# KiCad board haptic display 8x8 aisler.kicad_pcb (continued)
## Routing (per net, layer and track width the routed paths; a pad name or vN(x,y) marks a point on that pad's centre or on a via; arc(x,y) is an arc through that point) (continued)
col8: length 7436.5
  Front w0.15: 124.59,123.98 124.63,123.97 125,123.6 125,123.55 124.79,123.56 124.59,123.6 124.39,123.67 124.2,123.76 124.03,123.88 123.88,124.03 123.75,124.19 123.64,124.38 123.56,124.58 123.51,124.79 123.49,125 123.5,125.22 123.54,125.43 123.61,125.64 123.71,125.83 123.84,126.01 123.99,126.17 124.16,126.31 124.35,126.42 124.56,126.5 124.78,126.55 125,126.58 125.22,126.56 125.45,126.52 125.66,126.45 125.86,126.34 126.05,126.21 126.22,126.05 126.36,125.87 126.47,125.67 126.56,125.46 126.62,125.23 126.64,125 126.63,124.77 126.58,124.54 126.51,124.31 126.4,124.1 126.26,123.91 126.09,123.74 125.91,123.59 125.7,123.47 125.48,123.38 125.24,123.32 125,123.3 124.78,123.31 124.56,123.35 124.34,123.41 124.14,123.51 123.95,123.63 123.78,123.78 123.62,123.94 123.49,124.13 123.39,124.33 123.31,124.55 123.26,124.77 123.24,125 123.25,125.23 123.29,125.46 123.36,125.68 123.46,125.89 123.58,126.09 123.73,126.27 123.9,126.43 124.1,126.56 124.31,126.67 124.53,126.75 124.76,126.8 125,126.83 125.24,126.81 125.48,126.77 125.7,126.7 125.92,126.6 126.13,126.47 126.31,126.31 126.48,126.13 126.62,125.93 126.73,125.72 126.81,125.49 126.87,125.25 126.89,125 126.88,124.75 126.83,124.51 126.76,124.27 126.65,124.05 126.52,123.84 126.36,123.64 126.17,123.47 125.96,123.33 125.74,123.21 125.5,123.13 125.25,123.07 125,123.05 124.76,123.06 124.53,123.1 124.3,123.16 124.08,123.26 123.88,123.38 123.69,123.52 123.52,123.68 123.36,123.87 123.24,124.07 123.13,124.29 123.06,124.52 123.01,124.76 122.99,125 123,125.24 123.04,125.48 123.1,125.72 123.2,125.94 123.32,126.16 123.47,126.35 123.64,126.53 123.83,126.69 124.04,126.82 124.27,126.93 124.51,127.01 124.75,127.06 125,127.08 125.25,127.06 125.5,127.02 125.74,126.95 125.97,126.85 126.19,126.73 126.4,126.57 126.58,126.4 126.74,126.2 126.88,125.98 126.99,125.75 127.07,125.51 127.12,125.26 127.14,125 127.13,124.74 127.08,124.49 127.01,124.24 126.91,124 126.78,123.77 126.62,123.56 126.44,123.37 126.24,123.21 126.01,123.07 125.78,122.96 125.52,122.87 125.26,122.82 125,122.8 124.75,122.81 124.51,122.85 124.27,122.91 124.04,123 123.82,123.12 123.61,123.26 123.42,123.42 123.25,123.61 123.1,123.81 122.98,124.03 122.88,124.26 122.8,124.5 122.76,124.75 122.74,125 122.75,125.25 122.79,125.51 122.85,125.75 122.95,125.99 123.07,126.22 123.21,126.43 123.38,126.62 123.57,126.8 123.77,126.95 124,127.08 124.24,127.18 124.48,127.26 124.74,127.31 125,127.33 125.26,127.31 125.52,127.28 125.77,127.21 126.02,127.11 126.25,126.99 126.47,126.84 126.67,126.67 126.85,126.47 127,126.26 127.13,126.03 127.24,125.78 127.32,125.53 127.37,125.27 127.39,125 127.38,124.73 127.34,124.47 127.27,124.21 127.17,123.96 127.04,123.72 126.89,123.49 126.71,123.29 126.51,123.11 126.29,122.94 126.06,122.81 125.8,122.7 125.54,122.62 125.27,122.57 125,122.55 124.74,122.56 124.49,122.6 124.24,122.66 124,122.75 123.76,122.86 123.55,123 123.34,123.16 123.15,123.34 122.99,123.54 122.84,123.75 122.72,123.98 122.62,124.23 122.55,124.48 122.51,124.74 122.49,125 122.5,125.26 122.53,125.52 122.6,125.78 122.69,126.03 122.81,126.27 122.95,126.49 123.11,126.7 123.3,126.89 123.5,127.06 123.72,127.21 123.96,127.34 124.21,127.44 124.47,127.51 124.73,127.56 125,127.58 125.27,127.57 125.54,127.53 125.8,127.46 126.05,127.37 126.3,127.25 126.53,127.1 126.74,126.94 126.94,126.75 127.11,126.54 127.27,126.31 127.39,126.07 127.5,125.81 127.57,125.55 127.62,125.28 127.64,125 127.63,124.72 127.59,124.45 127.52,124.18 127.42,123.92 127.3,123.67 127.15,123.44 126.98,123.22 126.79,123.02 126.57,122.84 126.34,122.68 126.09,122.55 125.83,122.44 125.56,122.37 125.28,122.32 125,122.3 124.73,122.31 124.47,122.34 124.21,122.41 123.96,122.49 123.72,122.6 123.49,122.74 123.27,122.89 123.07,123.07 122.89,123.26 122.72,123.48 122.58,123.71 122.46,123.95 122.37,124.2 122.3,124.46 122.25,124.73 122.24,125 122.25,125.27 122.28,125.54 122.35,125.81 122.43,126.06 122.55,126.31 122.68,126.55 122.84,126.77 123.02,126.98 123.23,127.16 123.44,127.33 123.68,127.47 123.92,127.6 124.18,127.69 124.45,127.76 124.72,127.81 125,127.83 125.28,127.82 125.55,127.78 125.82,127.71 126.09,127.62 126.34,127.51 126.58,127.37 126.81,127.2 127.02,127.02 127.21,126.81 127.38,126.59 127.53,126.35 127.65,126.1 127.75,125.83 127.82,125.56 127.87,125.28 127.89,125 127.88,124.72 127.84,124.44 127.77,124.16 127.68,123.89 127.56,123.63 127.42,123.38 127.25,123.15 127.06,122.94 126.85,122.74 126.63,122.57 126.38,122.42 126.12,122.29 125.85,122.19 125.57,122.11 125.29,122.07 125,122.05 124.73,122.06 124.46,122.09 124.19,122.15 123.93,122.24 123.68,122.34 123.44,122.47 123.21,122.63 122.99,122.8 122.8,122.99 122.62,123.2 122.46,123.43 122.32,123.67 122.2,123.92 122.11,124.18 122.05,124.45 122,124.72 121.99,125 122,125.28 122.03,125.55 122.09,125.83 122.18,126.09 122.29,126.35 122.42,126.6 122.58,126.83 122.75,127.05 122.95,127.25 123.16,127.43 123.39,127.6 123.64,127.74 123.89,127.85 124.16,127.95 124.44,128.02 124.72,128.06 125,128.07 125.28,128.07 125.57,128.03 125.84,127.97 126.12,127.88 126.38,127.77 126.63,127.63 126.87,127.47 127.09,127.29 127.3,127.09 127.48,126.88 127.65,126.64 127.79,126.39 127.91,126.13 128.01,125.86 128.08,125.58 128.12,125.29 128.14,125 128.13,124.71 128.09,124.42 128.03,124.14 127.94,123.86 127.83,123.59 127.69,123.34 127.52,123.09 127.34,122.87 127.14,122.66 126.91,122.47 126.67,122.3 126.42,122.15 126.15,122.03 125.87,121.93 125.59,121.86 125.29,121.82 125,121.8 124.72,121.81 124.44,121.84 124.17,121.9 123.9,121.98 123.64,122.08 123.39,122.21 123.15,122.36 122.93,122.53 122.72,122.72 122.52,122.92 122.35,123.14 122.19,123.38 122.06,123.63 121.95,123.89 121.86,124.16 121.79,124.43 121.75,124.72 121.74,125 121.75,125.28 121.78,125.57 121.84,125.85 121.92,126.12 122.03,126.39 122.16,126.64 122.31,126.89 122.48,127.11 122.67,127.33 122.88,127.53 123.11,127.7 123.35,127.86 123.6,128 123.87,128.11 124.14,128.2 124.42,128.27 124.71,128.31 125,128.32 125.29,128.32 125.58,128.28 125.86,128.22 126.14,128.14 126.41,128.03 126.67,127.9 126.92,127.74 127.16,127.57 127.37,127.37 127.57,127.16 127.75,126.93 127.92,126.68 128.05,126.42 128.17,126.15 128.26,125.87 128.33,125.59 128.37,125.29 128.39,125 128.38,124.7 128.34,124.41 128.28,124.12 128.2,123.84 128.09,123.56 127.95,123.3 127.79,123.04 127.62,122.8 127.42,122.58 127.2,122.38 126.96,122.19 126.71,122.03 126.45,121.89 126.18,121.77 125.89,121.68 125.6,121.61 125.3,121.57 125,121.55 124.71,121.56 124.43,121.59 124.15,121.65 123.88,121.72 123.61,121.83 123.35,121.95 123.1,122.09 122.86,122.26 122.64,122.44 122.44,122.64 122.25,122.86 122.08,123.09 121.93,123.34 121.8,123.6 121.69,123.86 121.6,124.14 121.54,124.42 121.5,124.71 121.49,125 121.5,125.29 121.53,125.58 121.59,125.86 121.67,126.14 121.77,126.42 121.89,126.68 122.04,126.93 122.21,127.17 122.39,127.4 122.6,127.61 122.82,127.8 123.06,127.97 123.31,128.13 123.57,128.26 123.84,128.37 124.12,128.46 124.41,128.52 124.71,128.56 125,128.57 125.3,128.57 125.59,128.53 125.88,128.48 126.17,128.39 126.44,128.29 126.71,128.16 126.97,128.01 127.21,127.84 127.44,127.65 127.65,127.44 127.85,127.22 128.03,126.98 128.18,126.72 128.32,126.45 128.43,126.18 128.52,125.89 128.58,125.6 128.62,125.3 128.64,125 128.63,124.7 128.59,124.4 128.54,124.1 128.45,123.81 128.35,123.53 128.22,123.26 128.06,123 127.89,122.75 127.7,122.52 127.49,122.3 127.26,122.1 127.01,121.92 126.75,121.76 126.48,121.63 126.2,121.51 125.91,121.42 125.61,121.36 125.31,121.32 125,121.3 124.71,121.31 124.42,121.34 124.13,121.39 123.85,121.47 123.58,121.57 123.31,121.69 123.06,121.83 122.81,121.99 122.58,122.17 122.36,122.36 122.16,122.57 121.98,122.8 121.81,123.05 121.66,123.3 121.54,123.57 121.43,123.84 121.35,124.12 121.29,124.41 121.25,124.71 121.24,125 121.25,125.3 121.28,125.59 121.33,125.88 121.41,126.17 121.51,126.45 121.63,126.72 121.77,126.98 121.94,127.23 122.12,127.46 122.32,127.68 122.53,127.89 122.77,128.07 123.01,128.24 123.27,128.39 123.54,128.52 123.82,128.63 124.11,128.71 124.4,128.77 124.7,128.81 125,128.82 125.3,128.82 125.6,128.78 125.9,128.73 126.19,128.65 126.47,128.55 126.75,128.42 127.01,128.28 127.26,128.11 127.5,127.93 127.73,127.73 127.93,127.51 128.12,127.27 128.3,127.02 128.45,126.76 128.58,126.48 128.69,126.2 128.77,125.91 128.83,125.61 128.87,125.3 128.89,125 128.88,124.69 128.85,124.39 128.79,124.09 128.71,123.79 128.61,123.51 128.48,123.23 128.33,122.96 128.17,122.7 127.98,122.46 127.77,122.23 127.55,122.02 127.31,121.82 127.05,121.65 126.78,121.5 126.51,121.37 126.22,121.26 125.92,121.17 125.62,121.1 125.31,121.07 125,121.05 124.7,121.06 124.41,121.09 124.12,121.14 123.83,121.21 123.55,121.31 123.28,121.43 123.01,121.56 122.76,121.72 122.52,121.89 122.29,122.08 122.08,122.29 121.88,122.51 121.7,122.75 121.54,123 121.4,123.27 121.28,123.54 121.18,123.82 121.1,124.11 121.04,124.4 121,124.7 120.99,125 121,125.3 121.03,125.6 121.08,125.89 121.15,126.19 121.25,126.47 121.37,126.75 121.51,127.02 121.67,127.27 121.84,127.52 122.04,127.75 122.25,127.97 122.48,128.17 122.72,128.35 122.97,128.51 123.24,128.66 123.52,128.78 123.8,128.88 124.1,128.96 124.39,129.02 124.7,129.06 125,129.07 125.3,129.07 125.61,129.04 125.91,128.98 126.2,128.91 126.49,128.81 126.78,128.69 127.05,128.55 127.31,128.39 127.56,128.21 127.79,128.01 128.01,127.79 128.21,127.56 128.4,127.32 128.57,127.06 128.71,126.79 128.84,126.51 128.94,126.22 129.03,125.92 129.09,125.62 129.12,125.31 129.14,125 129.13,124.69 129.1,124.38 129.04,124.08 128.97,123.78 128.87,123.48 128.74,123.2 128.6,122.92 128.44,122.66 128.26,122.4 128.05,122.17 127.84,121.94 127.6,121.74 127.35,121.55 127.09,121.38 126.81,121.23 126.53,121.1 126.23,121 125.93,120.91 125.63,120.85 125.31,120.81 125,120.8 124.7,120.81 124.4,120.84 124.11,120.89 123.81,120.96 123.53,121.05 123.25,121.16 122.98,121.3 122.72,121.45 122.47,121.62 122.23,121.8 122.01,122.01 121.8,122.23 121.61,122.46 121.43,122.71 121.28,122.97 121.14,123.24 121.02,123.52 120.92,123.8 120.84,124.1 120.79,124.39 120.75,124.7 120.74,125 120.75,125.3 120.78,125.61 120.83,125.91 120.9,126.2 120.99,126.49 121.11,126.78 121.24,127.05 121.4,127.32 121.57,127.57 121.76,127.81 121.96,128.04 122.19,128.25 122.42,128.44 122.67,128.62 122.94,128.78 123.21,128.92 123.49,129.04 123.78,129.14 124.08,129.22 124.39,129.28 124.69,129.31 125,129.32 125.31,129.32 125.62,129.29 125.92,129.23 126.22,129.16 126.52,129.07 126.8,128.95 127.08,128.81 127.35,128.66 127.61,128.48 127.85,128.29 128.08,128.08 128.29,127.85 128.49,127.61 128.67,127.36 128.83,127.09 128.98,126.82 129.1,126.53 129.2,126.23 129.28,125.93 129.34,125.62 129.37,125.31 129.39,125 129.38,124.69 129.35,124.37 129.3,124.07 129.22,123.76 129.12,123.46 129.01,123.17 128.87,122.89 128.71,122.62 128.53,122.36 128.34,122.11 128.12,121.88 127.9,121.66 127.65,121.46 127.39,121.28 127.12,121.11 126.84,120.97 126.55,120.84 126.25,120.74 125.94,120.66 125.63,120.6 125.32,120.56 125,120.55 124.05,120.55 ; 124.59,108.98 124.63,108.97 125,108.6 125,108.55 124.79,108.56 124.59,108.6 124.39,108.67 124.2,108.76 124.03,108.88 123.88,109.03 123.75,109.19 123.64,109.38 123.56,109.58 123.51,109.79 123.49,110 123.5,110.22 123.54,110.43 123.61,110.64 123.71,110.83 123.84,111.01 123.99,111.17 124.16,111.31 124.35,111.42 124.56,111.5 124.78,111.55 125,111.58 125.22,111.56 125.45,111.52 125.66,111.45 125.86,111.34 126.05,111.21 126.22,111.05 126.36,110.87 126.47,110.67 126.56,110.46 126.62,110.23 126.64,110 126.63,109.77 126.58,109.54 126.51,109.31 126.4,109.1 126.26,108.91 126.09,108.74 125.91,108.59 125.7,108.47 125.48,108.38 125.24,108.32 125,108.3 124.78,108.31 124.56,108.35 124.34,108.41 124.14,108.51 123.95,108.63 123.78,108.78 123.62,108.94 123.49,109.13 123.39,109.33 123.31,109.55 123.26,109.77 123.24,110 123.25,110.23 123.29,110.46 123.36,110.68 123.46,110.89 123.58,111.09 123.73,111.27 123.9,111.43 124.1,111.56 124.31,111.67 124.53,111.75 124.76,111.8 125,111.83 125.24,111.81 125.48,111.77 125.7,111.7 125.92,111.6 126.13,111.47 126.31,111.31 126.48,111.13 126.62,110.93 126.73,110.72 126.81,110.49 126.87,110.25 126.89,110 126.88,109.75 126.83,109.51 126.76,109.27 126.65,109.05 126.52,108.84 126.36,108.64 126.17,108.47 125.96,108.33 125.74,108.21 125.5,108.13 125.25,108.07 125,108.05 124.76,108.06 124.53,108.1 124.3,108.16 124.08,108.26 123.88,108.38 123.69,108.52 123.52,108.68 123.36,108.87 123.24,109.07 123.13,109.29 123.06,109.52 123.01,109.76 122.99,110 123,110.24 123.04,110.48 123.1,110.72 123.2,110.94 123.32,111.16 123.47,111.35 123.64,111.53 123.83,111.69 124.04,111.82 124.27,111.93 124.51,112.01 124.75,112.06 125,112.08 125.25,112.06 125.5,112.02 125.74,111.95 125.97,111.85 126.19,111.73 126.4,111.57 126.58,111.4 126.74,111.2 126.88,110.98 126.99,110.75 127.07,110.51 127.12,110.26 127.14,110 127.13,109.74 127.08,109.49 127.01,109.24 126.91,109 126.78,108.77 126.62,108.56 126.44,108.37 126.24,108.21 126.01,108.07 125.78,107.96 125.52,107.87 125.26,107.82 125,107.8 124.75,107.81 124.51,107.85 124.27,107.91 124.04,108 123.82,108.12 123.61,108.26 123.42,108.42 123.25,108.61 123.1,108.81 122.98,109.03 122.88,109.26 122.8,109.5 122.76,109.75 122.74,110 122.75,110.25 122.79,110.51 122.85,110.75 122.95,110.99 123.07,111.22 123.21,111.43 123.38,111.62 123.57,111.8 123.77,111.95 124,112.08 124.24,112.18 124.48,112.26 124.74,112.31 125,112.33 125.26,112.31 125.52,112.28 125.77,112.21 126.02,112.11 126.25,111.99 126.47,111.84 126.67,111.67 126.85,111.47 127,111.26 127.13,111.03 127.24,110.78 127.32,110.53 127.37,110.27 127.39,110 127.38,109.73 127.34,109.47 127.27,109.21 127.17,108.96 127.04,108.72 126.89,108.49 126.71,108.29 126.51,108.11 126.29,107.94 126.06,107.81 125.8,107.7 125.54,107.62 125.27,107.57 125,107.55 124.74,107.56 124.49,107.6 124.24,107.66 124,107.75 123.76,107.86 123.55,108 123.34,108.16 123.15,108.34 122.99,108.54 122.84,108.75 122.72,108.98 122.62,109.23 122.55,109.48 122.51,109.74 122.49,110 122.5,110.26 122.53,110.52 122.6,110.78 122.69,111.03 122.81,111.27 122.95,111.49 123.11,111.7 123.3,111.89 123.5,112.06 123.72,112.21 123.96,112.34 124.21,112.44 124.47,112.51 124.73,112.56 125,112.58 125.27,112.57 125.54,112.53 125.8,112.46 126.05,112.37 126.3,112.25 126.53,112.1 126.74,111.94 126.94,111.75 127.11,111.54 127.27,111.31 127.39,111.07 127.5,110.81 127.57,110.55 127.62,110.28 127.64,110 127.63,109.72 127.59,109.45 127.52,109.18 127.42,108.92 127.3,108.67 127.15,108.44 126.98,108.22 126.79,108.02 126.57,107.84 126.34,107.68 126.09,107.55 125.83,107.44 125.56,107.37 125.28,107.32 125,107.3 124.73,107.31 124.47,107.34 124.21,107.41 123.96,107.49 123.72,107.6 123.49,107.74 123.27,107.89 123.07,108.07 122.89,108.26 122.72,108.48 122.58,108.71 122.46,108.95 122.37,109.2 122.3,109.46 122.25,109.73 122.24,110 122.25,110.27 122.28,110.54 122.35,110.81 122.43,111.06 122.55,111.31 122.68,111.55 122.84,111.77 123.02,111.98 123.23,112.16 123.44,112.33 123.68,112.47 123.92,112.6 124.18,112.69 124.45,112.76 124.72,112.81 125,112.83 125.28,112.82 125.55,112.78 125.82,112.71 126.09,112.62 126.34,112.51 126.58,112.37 126.81,112.2 127.02,112.02 127.21,111.81 127.38,111.59 127.53,111.35 127.65,111.1 127.75,110.83 127.82,110.56 127.87,110.28 127.89,110 127.88,109.72 127.84,109.44 127.77,109.16 127.68,108.89 127.56,108.63 127.42,108.38 127.25,108.15 127.06,107.94 126.85,107.74 126.63,107.57 126.38,107.42 126.12,107.29 125.85,107.19 125.57,107.11 125.29,107.07 125,107.05 124.73,107.06 124.46,107.09 124.19,107.15 123.93,107.24 123.68,107.34 123.44,107.47 123.21,107.63 122.99,107.8 122.8,107.99 122.62,108.2 122.46,108.43 122.32,108.67 122.2,108.92 122.11,109.18 122.05,109.45 122,109.72 121.99,110 122,110.28 122.03,110.55 122.09,110.83 122.18,111.09 122.29,111.35 122.42,111.6 122.58,111.83 122.75,112.05 122.95,112.25 123.16,112.43 123.39,112.6 123.64,112.74 123.89,112.85 124.16,112.95 124.44,113.02 124.72,113.06 125,113.08 125.28,113.07 125.57,113.03 125.84,112.97 126.12,112.88 126.38,112.77 126.63,112.63 126.87,112.47 127.09,112.29 127.3,112.09 127.48,111.88 127.65,111.64 127.79,111.39 127.91,111.13 128.01,110.86 128.08,110.58 128.12,110.29 128.14,110 128.13,109.71 128.09,109.42 128.03,109.14 127.94,108.86 127.83,108.59 127.69,108.34 127.52,108.09 127.34,107.87 127.14,107.66 126.91,107.47 126.67,107.3 126.42,107.15 126.15,107.03 125.87,106.93 125.59,106.86 125.29,106.82 125,106.8 124.72,106.81 124.44,106.84 124.17,106.9 123.9,106.98 123.64,107.08 123.39,107.21 123.15,107.36 122.93,107.53 122.72,107.72 122.52,107.92 122.35,108.14 122.19,108.38 122.06,108.63 121.95,108.89 121.86,109.16 121.79,109.43 121.75,109.72 121.74,110 121.75,110.28 121.78,110.57 121.84,110.85 121.92,111.12 122.03,111.39 122.16,111.64 122.31,111.89 122.48,112.11 122.67,112.33 122.88,112.53 123.11,112.7 123.35,112.86 123.6,113 123.87,113.11 124.14,113.2 124.42,113.27 124.71,113.31 125,113.33 125.29,113.32 125.58,113.28 125.86,113.22 126.14,113.14 126.41,113.03 126.67,112.9 126.92,112.74 127.16,112.57 127.37,112.37 127.57,112.16 127.75,111.93 127.92,111.68 128.05,111.42 128.17,111.15 128.26,110.87 128.33,110.59 128.37,110.29 128.39,110 128.38,109.7 128.34,109.41 128.28,109.12 128.2,108.84 128.09,108.56 127.95,108.3 127.79,108.04 127.62,107.8 127.42,107.58 127.2,107.38 126.96,107.19 126.71,107.03 126.45,106.89 126.18,106.77 125.89,106.68 125.6,106.61 125.3,106.57 125,106.55 124.71,106.56 124.43,106.59 124.15,106.65 123.88,106.72 123.61,106.83 123.35,106.95 123.1,107.09 122.86,107.26 122.64,107.44 122.44,107.64 122.25,107.86 122.08,108.09 121.93,108.34 121.8,108.6 121.69,108.86 121.6,109.14 121.54,109.42 121.5,109.71 121.49,110 121.5,110.29 121.53,110.58 121.59,110.86 121.67,111.14 121.77,111.42 121.89,111.68 122.04,111.93 122.21,112.17 122.39,112.4 122.6,112.61 122.82,112.8 123.06,112.97 123.31,113.13 123.57,113.26 123.84,113.37 124.12,113.46 124.41,113.52 124.71,113.56 125,113.58 125.3,113.57 125.59,113.53 125.88,113.48 126.17,113.39 126.44,113.29 126.71,113.16 126.97,113.01 127.21,112.84 127.44,112.65 127.65,112.44 127.85,112.22 128.03,111.98 128.18,111.72 128.32,111.45 128.43,111.18 128.52,110.89 128.58,110.6 128.62,110.3 128.64,110 128.63,109.7 128.59,109.4 128.54,109.1 128.45,108.81 128.35,108.53 128.22,108.26 128.06,108 127.89,107.75 127.7,107.52 127.49,107.3 127.26,107.1 127.01,106.92 126.75,106.76 126.48,106.63 126.2,106.51 125.91,106.42 125.61,106.36 125.31,106.32 125,106.3 124.71,106.31 124.42,106.34 124.13,106.39 123.85,106.47 123.58,106.57 123.31,106.69 123.06,106.83 122.81,106.99 122.58,107.17 122.36,107.36 122.16,107.57 121.98,107.8 121.81,108.05 121.66,108.3 121.54,108.57 121.43,108.84 121.35,109.12 121.29,109.41 121.25,109.71 121.24,110 121.25,110.3 121.28,110.59 121.33,110.88 121.41,111.17 121.51,111.45 121.63,111.72 121.77,111.98 121.94,112.23 122.12,112.46 122.32,112.68 122.53,112.89 122.77,113.07 123.01,113.24 123.27,113.39 123.54,113.52 123.82,113.63 124.11,113.71 124.4,113.77 124.7,113.81 125,113.83 125.3,113.82 125.6,113.78 125.9,113.73 126.19,113.65 126.47,113.55 126.75,113.42 127.01,113.28 127.26,113.11 127.5,112.93 127.73,112.73 127.93,112.51 128.12,112.27 128.3,112.02 128.45,111.76 128.58,111.48 128.69,111.2 128.77,110.91 128.83,110.61 128.87,110.3 128.89,110 128.88,109.69 128.85,109.39 128.79,109.09 128.71,108.79 128.61,108.51 128.48,108.23 128.33,107.96 128.17,107.7 127.98,107.46 127.77,107.23 127.55,107.02 127.31,106.82 127.05,106.65 126.78,106.5 126.51,106.37 126.22,106.26 125.92,106.17 125.62,106.1 125.31,106.07 125,106.05 124.7,106.06 124.41,106.09 124.12,106.14 123.83,106.21 123.55,106.31 123.28,106.43 123.01,106.56 122.76,106.72 122.52,106.89 122.29,107.08 122.08,107.29 121.88,107.51 121.7,107.75 121.54,108 121.4,108.27 121.28,108.54 121.18,108.82 121.1,109.11 121.04,109.4 121,109.7 120.99,110 121,110.3 121.03,110.6 121.08,110.89 121.15,111.19 121.25,111.47 121.37,111.75 121.51,112.02 121.67,112.27 121.84,112.52 122.04,112.75 122.25,112.97 122.48,113.17 122.72,113.35 122.97,113.51 123.24,113.66 123.52,113.78 123.8,113.88 124.1,113.96 124.39,114.02 124.7,114.06 125,114.08 125.3,114.07 125.61,114.04 125.91,113.98 126.2,113.91 126.49,113.81 126.78,113.69 127.05,113.55 127.31,113.39 127.56,113.21 127.79,113.01 128.01,112.79 128.21,112.56 128.4,112.32 128.57,112.06 128.71,111.79 128.84,111.51 128.94,111.22 129.03,110.92 129.09,110.62 129.12,110.31 129.14,110 129.13,109.69 129.1,109.38 129.04,109.08 128.97,108.78 128.87,108.48 128.74,108.2 128.6,107.92 128.44,107.66 128.26,107.4 128.05,107.17 127.84,106.94 127.6,106.74 127.35,106.55 127.09,106.38 126.81,106.23 126.53,106.1 126.23,106 125.93,105.91 125.63,105.85 125.31,105.81 125,105.8 124.7,105.81 124.4,105.84 124.11,105.89 123.81,105.96 123.53,106.05 123.25,106.16 122.98,106.3 122.72,106.45 122.47,106.62 122.23,106.8 122.01,107.01 121.8,107.23 121.61,107.46 121.43,107.71 121.28,107.97 121.14,108.24 121.02,108.52 120.92,108.8 120.84,109.1 120.79,109.39 120.75,109.7 120.74,110 120.75,110.3 120.78,110.61 120.83,110.91 120.9,111.2 120.99,111.49 121.11,111.78 121.24,112.05 121.4,112.32 121.57,112.57 121.76,112.81 121.96,113.04 122.19,113.25 122.42,113.44 122.67,113.62 122.94,113.78 123.21,113.92 123.49,114.04 123.78,114.14 124.08,114.22 124.39,114.28 124.69,114.31 125,114.33 125.31,114.32 125.62,114.29 125.92,114.23 126.22,114.16 126.52,114.07 126.8,113.95 127.08,113.81 127.35,113.66 127.61,113.48 127.85,113.29 128.08,113.08 128.29,112.85 128.49,112.61 128.67,112.36 128.83,112.09 128.98,111.82 129.1,111.53 129.2,111.23 129.28,110.93 129.34,110.62 129.37,110.31 129.39,110 129.38,109.69 129.35,109.37 129.3,109.07 129.22,108.76 129.12,108.46 129.01,108.17 128.87,107.89 128.71,107.62 128.53,107.36 128.34,107.11 128.12,106.88 127.9,106.66 127.65,106.46 127.39,106.28 127.12,106.11 126.84,105.97 126.55,105.84 126.25,105.74 125.94,105.66 125.63,105.6 125.32,105.56 125,105.55 124.05,105.55 ; 124.59,93.98 124.63,93.97 125,93.6 125,93.55 124.79,93.56 124.59,93.6 124.39,93.67 124.2,93.76 124.03,93.88 123.88,94.03 123.75,94.19 123.64,94.38 123.56,94.58 123.51,94.79 123.49,95 123.5,95.22 123.54,95.43 123.61,95.64 123.71,95.83 123.84,96.01 123.99,96.17 124.16,96.31 124.35,96.42 124.56,96.5 124.78,96.55 125,96.58 125.22,96.56 125.45,96.52 125.66,96.45 125.86,96.34 126.05,96.21 126.22,96.05 126.36,95.87 126.47,95.67 126.56,95.46 126.62,95.23 126.64,95 126.63,94.77 126.58,94.54 126.51,94.31 126.4,94.1 126.26,93.91 126.09,93.74 125.91,93.59 125.7,93.47 125.48,93.38 125.24,93.32 125,93.3 124.78,93.31 124.56,93.35 124.34,93.41 124.14,93.51 123.95,93.63 123.78,93.78 123.62,93.94 123.49,94.13 123.39,94.33 123.31,94.55 123.26,94.77 123.24,95 123.25,95.23 123.29,95.46 123.36,95.68 123.46,95.89 123.58,96.09 123.73,96.27 123.9,96.43 124.1,96.56 124.31,96.67 124.53,96.75 124.76,96.8 125,96.83 125.24,96.81 125.48,96.77 125.7,96.7 125.92,96.6 126.13,96.47 126.31,96.31 126.48,96.13 126.62,95.93 126.73,95.72 126.81,95.49 126.87,95.25 126.89,95 126.88,94.75 126.83,94.51 126.76,94.27 126.65,94.05 126.52,93.84 126.36,93.64 126.17,93.47 125.96,93.33 125.74,93.21 125.5,93.13 125.25,93.07 125,93.05 124.76,93.06 124.53,93.1 124.3,93.16 124.08,93.26 123.88,93.38 123.69,93.52 123.52,93.68 123.36,93.87 123.24,94.07 123.13,94.29 123.06,94.52 123.01,94.76 122.99,95 123,95.24 123.04,95.48 123.1,95.72 123.2,95.94 123.32,96.16 123.47,96.35 123.64,96.53 123.83,96.69 124.04,96.82 124.27,96.93 124.51,97.01 124.75,97.06 125,97.08 125.25,97.06 125.5,97.02 125.74,96.95 125.97,96.85 126.19,96.73 126.4,96.57 126.58,96.4 126.74,96.2 126.88,95.98 126.99,95.75 127.07,95.51 127.12,95.26 127.14,95 127.13,94.74 127.08,94.49 127.01,94.24 126.91,94 126.78,93.77 126.62,93.56 126.44,93.37 126.24,93.21 126.01,93.07 125.78,92.96 125.52,92.87 125.26,92.82 125,92.8 124.75,92.81 124.51,92.85 124.27,92.91 124.04,93 123.82,93.12 123.61,93.26 123.42,93.42 123.25,93.61 123.1,93.81 122.98,94.03 122.88,94.26 122.8,94.5 122.76,94.75 122.74,95 122.75,95.25 122.79,95.51 122.85,95.75 122.95,95.99 123.07,96.22 123.21,96.43 123.38,96.62 123.57,96.8 123.77,96.95 124,97.08 124.24,97.18 124.48,97.26 124.74,97.31 125,97.33 125.26,97.31 125.52,97.28 125.77,97.21 126.02,97.11 126.25,96.99 126.47,96.84 126.67,96.67 126.85,96.47 127,96.26 127.13,96.03 127.24,95.78 127.32,95.53 127.37,95.27 127.39,95 127.38,94.73 127.34,94.47 127.27,94.21 127.17,93.96 127.04,93.72 126.89,93.49 126.71,93.29 126.51,93.11 126.29,92.94 126.06,92.81 125.8,92.7 125.54,92.62 125.27,92.57 125,92.55 124.74,92.56 124.49,92.6 124.24,92.66 124,92.75 123.76,92.86 123.55,93 123.34,93.16 123.15,93.34 122.99,93.54 122.84,93.75 122.72,93.98 122.62,94.23 122.55,94.48 122.51,94.74 122.49,95 122.5,95.26 122.53,95.52 122.6,95.78 122.69,96.03 122.81,96.27 122.95,96.49 123.11,96.7 123.3,96.89 123.5,97.06 123.72,97.21 123.96,97.34 124.21,97.44 124.47,97.51 124.73,97.56 125,97.58 125.27,97.57 125.54,97.53 125.8,97.46 126.05,97.37 126.3,97.25 126.53,97.1 126.74,96.94 126.94,96.75 127.11,96.54 127.27,96.31 127.39,96.07 127.5,95.81 127.57,95.55 127.62,95.28 127.64,95 127.63,94.72 127.59,94.45 127.52,94.18 127.42,93.92 127.3,93.67 127.15,93.44 126.98,93.22 126.79,93.02 126.57,92.84 126.34,92.68 126.09,92.55 125.83,92.44 125.56,92.37 125.28,92.32 125,92.3 124.73,92.31 124.47,92.34 124.21,92.41 123.96,92.49 123.72,92.6 123.49,92.74 123.27,92.89 123.07,93.07 122.89,93.26 122.72,93.48 122.58,93.71 122.46,93.95 122.37,94.2 122.3,94.46 122.25,94.73 122.24,95 122.25,95.27 122.28,95.54 122.35,95.81 122.43,96.06 122.55,96.31 122.68,96.55 122.84,96.77 123.02,96.98 123.23,97.16 123.44,97.33 123.68,97.47 123.92,97.6 124.18,97.69 124.45,97.76 124.72,97.81 125,97.83 125.28,97.82 125.55,97.78 125.82,97.71 126.09,97.62 126.34,97.51 126.58,97.37 126.81,97.2 127.02,97.02 127.21,96.81 127.38,96.59 127.53,96.35 127.65,96.1 127.75,95.83 127.82,95.56 127.87,95.28 127.89,95 127.88,94.72 127.84,94.44 127.77,94.16 127.68,93.89 127.56,93.63 127.42,93.38 127.25,93.15 127.06,92.94 126.85,92.74 126.63,92.57 126.38,92.42 126.12,92.29 125.85,92.19 125.57,92.11 125.29,92.07 125,92.05 124.73,92.06 124.46,92.09 124.19,92.15 123.93,92.24 123.68,92.34 123.44,92.47 123.21,92.63 122.99,92.8 122.8,92.99 122.62,93.2 122.46,93.43 122.32,93.67 122.2,93.92 122.11,94.18 122.05,94.45 122,94.72 121.99,95 122,95.28 122.03,95.55 122.09,95.83 122.18,96.09 122.29,96.35 122.42,96.6 122.58,96.83 122.75,97.05 122.95,97.25 123.16,97.43 123.39,97.6 123.64,97.74 123.89,97.85 124.16,97.95 124.44,98.02 124.72,98.06 125,98.08 125.28,98.07 125.57,98.03 125.84,97.97 126.12,97.88 126.38,97.77 126.63,97.63 126.87,97.47 127.09,97.29 127.3,97.09 127.48,96.88 127.65,96.64 127.79,96.39 127.91,96.13 128.01,95.86 128.08,95.58 128.12,95.29 128.14,95 128.13,94.71 128.09,94.42 128.03,94.14 127.94,93.86 127.83,93.59 127.69,93.34 127.52,93.09 127.34,92.87 127.14,92.66 126.91,92.47 126.67,92.3 126.42,92.15 126.15,92.03 125.87,91.93 125.59,91.86 125.29,91.82 125,91.8 124.72,91.81 124.44,91.84 124.17,91.9 123.9,91.98 123.64,92.08 123.39,92.21 123.15,92.36 122.93,92.53 122.72,92.72 122.52,92.92 122.35,93.14 122.19,93.38 122.06,93.63 121.95,93.89 121.86,94.16 121.79,94.43 121.75,94.72 121.74,95 121.75,95.28 121.78,95.57 121.84,95.85 121.92,96.12 122.03,96.39 122.16,96.64 122.31,96.89 122.48,97.11 122.67,97.33 122.88,97.53 123.11,97.7 123.35,97.86 123.6,98 123.87,98.11 124.14,98.2 124.42,98.27 124.71,98.31 125,98.33 125.29,98.32 125.58,98.28 125.86,98.22 126.14,98.14 126.41,98.03 126.67,97.9 126.92,97.74 127.16,97.57 127.37,97.37 127.57,97.16 127.75,96.93 127.92,96.68 128.05,96.42 128.17,96.15 128.26,95.87 128.33,95.59 128.37,95.29 128.39,95 128.38,94.7 128.34,94.41 128.28,94.12 128.2,93.84 128.09,93.56 127.95,93.3 127.79,93.04 127.62,92.8 127.42,92.58 127.2,92.38 126.96,92.19 126.71,92.03 126.45,91.89 126.18,91.77 125.89,91.68 125.6,91.61 125.3,91.57 125,91.55 124.71,91.56 124.43,91.59 124.15,91.65 123.88,91.72 123.61,91.83 123.35,91.95 123.1,92.09 122.86,92.26 122.64,92.44 122.44,92.64 122.25,92.86 122.08,93.09 121.93,93.34 121.8,93.6 121.69,93.86 121.6,94.14 121.54,94.42 121.5,94.71 121.49,95 121.5,95.29 121.53,95.58 121.59,95.86 121.67,96.14 121.77,96.42 121.89,96.68 122.04,96.93 122.21,97.17 122.39,97.4 122.6,97.61 122.82,97.8 123.06,97.97 123.31,98.13 123.57,98.26 123.84,98.37 124.12,98.46 124.41,98.52 124.71,98.56 125,98.58 125.3,98.57 125.59,98.53 125.88,98.48 126.17,98.39 126.44,98.29 126.71,98.16 126.97,98.01 127.21,97.84 127.44,97.65 127.65,97.44 127.85,97.22 128.03,96.98 128.18,96.72 128.32,96.45 128.43,96.18 128.52,95.89 128.58,95.6 128.62,95.3 128.64,95 128.63,94.7 128.59,94.4 128.54,94.1 128.45,93.81 128.35,93.53 128.22,93.26 128.06,93 127.89,92.75 127.7,92.52 127.49,92.3 127.26,92.1 127.01,91.92 126.75,91.76 126.48,91.63 126.2,91.51 125.91,91.42 125.61,91.36 125.31,91.32 125,91.3 124.71,91.31 124.42,91.34 124.13,91.39 123.85,91.47 123.58,91.57 123.31,91.69 123.06,91.83 122.81,91.99 122.58,92.17 122.36,92.36 122.16,92.57 121.98,92.8 121.81,93.05 121.66,93.3 121.54,93.57 121.43,93.84 121.35,94.12 121.29,94.41 121.25,94.71 121.24,95 121.25,95.3 121.28,95.59 121.33,95.88 121.41,96.17 121.51,96.45 121.63,96.72 121.77,96.98 121.94,97.23 122.12,97.46 122.32,97.68 122.53,97.89 122.77,98.07 123.01,98.24 123.27,98.39 123.54,98.52 123.82,98.63 124.11,98.71 124.4,98.77 124.7,98.81 125,98.83 125.3,98.82 125.6,98.78 125.9,98.73 126.19,98.65 126.47,98.55 126.75,98.42 127.01,98.28 127.26,98.11 127.5,97.93 127.73,97.73 127.93,97.51 128.12,97.27 128.3,97.02 128.45,96.76 128.58,96.48 128.69,96.2 128.77,95.91 128.83,95.61 128.87,95.3 128.89,95 128.88,94.69 128.85,94.39 128.79,94.09 128.71,93.79 128.61,93.51 128.48,93.23 128.33,92.96 128.17,92.7 127.98,92.46 127.77,92.23 127.55,92.02 127.31,91.82 127.05,91.65 126.78,91.5 126.51,91.37 126.22,91.26 125.92,91.17 125.62,91.1 125.31,91.07 125,91.05 124.7,91.06 124.41,91.09 124.12,91.14 123.83,91.21 123.55,91.31 123.28,91.43 123.01,91.56 122.76,91.72 122.52,91.89 122.29,92.08 122.08,92.29 121.88,92.51 121.7,92.75 121.54,93 121.4,93.27 121.28,93.54 121.18,93.82 121.1,94.11 121.04,94.4 121,94.7 120.99,95 121,95.3 121.03,95.6 121.08,95.89 121.15,96.19 121.25,96.47 121.37,96.75 121.51,97.02 121.67,97.27 121.84,97.52 122.04,97.75 122.25,97.97 122.48,98.17 122.72,98.35 122.97,98.51 123.24,98.66 123.52,98.78 123.8,98.88 124.1,98.96 124.39,99.02 124.7,99.06 125,99.08 125.3,99.07 125.61,99.04 125.91,98.98 126.2,98.91 126.49,98.81 126.78,98.69 127.05,98.55 127.31,98.39 127.56,98.21 127.79,98.01 128.01,97.79 128.21,97.56 128.4,97.32 128.57,97.06 128.71,96.79 128.84,96.51 128.94,96.22 129.03,95.92 129.09,95.62 129.12,95.31 129.14,95 129.13,94.69 129.1,94.38 129.04,94.08 128.97,93.78 128.87,93.48 128.74,93.2 128.6,92.92 128.44,92.66 128.26,92.4 128.05,92.17 127.84,91.94 127.6,91.74 127.35,91.55 127.09,91.38 126.81,91.23 126.53,91.1 126.23,91 125.93,90.91 125.63,90.85 125.31,90.81 125,90.8 124.7,90.81 124.4,90.84 124.11,90.89 123.81,90.96 123.53,91.05 123.25,91.16 122.98,91.3 122.72,91.45 122.47,91.62 122.23,91.8 122.01,92.01 121.8,92.23 121.61,92.46 121.43,92.71 121.28,92.97 121.14,93.24 121.02,93.52 120.92,93.8 120.84,94.1 120.79,94.39 120.75,94.7 120.74,95 120.75,95.3 120.78,95.61 120.83,95.91 120.9,96.2 120.99,96.49 121.11,96.78 121.24,97.05 121.4,97.32 121.57,97.57 121.76,97.81 121.96,98.04 122.19,98.25 122.42,98.44 122.67,98.62 122.94,98.78 123.21,98.92 123.49,99.04 123.78,99.14 124.08,99.22 124.39,99.28 124.69,99.31 125,99.33 125.31,99.32 125.62,99.29 125.92,99.23 126.22,99.16 126.52,99.07 126.8,98.95 127.08,98.81 127.35,98.66 127.61,98.48 127.85,98.29 128.08,98.08 128.29,97.85 128.49,97.61 128.67,97.36 128.83,97.09 128.98,96.82 129.1,96.53 129.2,96.23 129.28,95.93 129.34,95.62 129.37,95.31 129.39,95 129.38,94.69 129.35,94.37 129.3,94.07 129.22,93.76 129.12,93.46 129.01,93.17 128.87,92.89 128.71,92.62 128.53,92.36 128.34,92.11 128.12,91.88 127.9,91.66 127.65,91.46 127.39,91.28 127.12,91.11 126.84,90.97 126.55,90.84 126.25,90.74 125.94,90.66 125.63,90.6 125.32,90.56 125,90.55 124.05,90.55 ; 124.59,78.98 124.63,78.97 125,78.6 125,78.55 124.79,78.56 124.59,78.6 124.39,78.67 124.2,78.76 124.03,78.88 123.88,79.03 123.75,79.19 123.64,79.38 123.56,79.58 123.51,79.79 123.49,80 123.5,80.22 123.54,80.43 123.61,80.64 123.71,80.83 123.84,81.01 123.99,81.17 124.16,81.31 124.35,81.42 124.56,81.5 124.78,81.55 125,81.58 125.22,81.56 125.45,81.52 125.66,81.45 125.86,81.34 126.05,81.21 126.22,81.05 126.36,80.87 126.47,80.67 126.56,80.46 126.62,80.23 126.64,80 126.63,79.77 126.58,79.54 126.51,79.31 126.4,79.1 126.26,78.91 126.09,78.74 125.91,78.59 125.7,78.47 125.48,78.38 125.24,78.32 125,78.3 124.78,78.31 124.56,78.35 124.34,78.41 124.14,78.51 123.95,78.63 123.78,78.78 123.62,78.94 123.49,79.13 123.39,79.33 123.31,79.55 123.26,79.77 123.24,80 123.25,80.23 123.29,80.46 123.36,80.68 123.46,80.89 123.58,81.09 123.73,81.27 123.9,81.43 124.1,81.56 124.31,81.67 124.53,81.75 124.76,81.8 125,81.83 125.24,81.81 125.48,81.77 125.7,81.7 125.92,81.6 126.13,81.47 126.31,81.31 126.48,81.13 126.62,80.93 126.73,80.72 126.81,80.49 126.87,80.25 126.89,80 126.88,79.75 126.83,79.51 126.76,79.27 126.65,79.05 126.52,78.84 126.36,78.64 126.17,78.47 125.96,78.33 125.74,78.21 125.5,78.13 125.25,78.07 125,78.05 124.76,78.06 124.53,78.1 124.3,78.16 124.08,78.26 123.88,78.38 123.69,78.52 123.52,78.68 123.36,78.87 123.24,79.07 123.13,79.29 123.06,79.52 123.01,79.76 122.99,80 123,80.24 123.04,80.48 123.1,80.72 123.2,80.94 123.32,81.16 123.47,81.35 123.64,81.53 123.83,81.69 124.04,81.82 124.27,81.93 124.51,82.01 124.75,82.06 125,82.08 125.25,82.06 125.5,82.02 125.74,81.95 125.97,81.85 126.19,81.73 126.4,81.57 126.58,81.4 126.74,81.2 126.88,80.98 126.99,80.75 127.07,80.51 127.12,80.26 127.14,80 127.13,79.74 127.08,79.49 127.01,79.24 126.91,79 126.78,78.77 126.62,78.56 126.44,78.37 126.24,78.21 126.01,78.07 125.78,77.96 125.52,77.87 125.26,77.82 125,77.8 124.75,77.81 124.51,77.85 124.27,77.91 124.04,78 123.82,78.12 123.61,78.26 123.42,78.42 123.25,78.61 123.1,78.81 122.98,79.03 122.88,79.26 122.8,79.5 122.76,79.75 122.74,80 122.75,80.25 122.79,80.51 122.85,80.75 122.95,80.99 123.07,81.22 123.21,81.43 123.38,81.62 123.57,81.8 123.77,81.95 124,82.08 124.24,82.18 124.48,82.26 124.74,82.31 125,82.33 125.26,82.31 125.52,82.28 125.77,82.21 126.02,82.11 126.25,81.99 126.47,81.84 126.67,81.67 126.85,81.47 127,81.26 127.13,81.03 127.24,80.78 127.32,80.53 127.37,80.27 127.39,80 127.38,79.73 127.34,79.47 127.27,79.21 127.17,78.96 127.04,78.72 126.89,78.49 126.71,78.29 126.51,78.11 126.29,77.94 126.06,77.81 125.8,77.7 125.54,77.62 125.27,77.57 125,77.55 124.74,77.56 124.49,77.6 124.24,77.66 124,77.75 123.76,77.86 123.55,78 123.34,78.16 123.15,78.34 122.99,78.54 122.84,78.75 122.72,78.98 122.62,79.23 122.55,79.48 122.51,79.74 122.49,80 122.5,80.26 122.53,80.52 122.6,80.78 122.69,81.03 122.81,81.27 122.95,81.49 123.11,81.7 123.3,81.89 123.5,82.06 123.72,82.21 123.96,82.34 124.21,82.44 124.47,82.51 124.73,82.56 125,82.58 125.27,82.57 125.54,82.53 125.8,82.46 126.05,82.37 126.3,82.25 126.53,82.1 126.74,81.94 126.94,81.75 127.11,81.54 127.27,81.31 127.39,81.07 127.5,80.81 127.57,80.55 127.62,80.28 127.64,80 127.63,79.72 127.59,79.45 127.52,79.18 127.42,78.92 127.3,78.67 127.15,78.44 126.98,78.22 126.79,78.02 126.57,77.84 126.34,77.68 126.09,77.55 125.83,77.44 125.56,77.37 125.28,77.32 125,77.3 124.73,77.31 124.47,77.34 124.21,77.41 123.96,77.49 123.72,77.6 123.49,77.74 123.27,77.89 123.07,78.07 122.89,78.26 122.72,78.48 122.58,78.71 122.46,78.95 122.37,79.2 122.3,79.46 122.25,79.73 122.24,80 122.25,80.27 122.28,80.54 122.35,80.81 122.43,81.06 122.55,81.31 122.68,81.55 122.84,81.77 123.02,81.98 123.23,82.16 123.44,82.33 123.68,82.47 123.92,82.6 124.18,82.69 124.45,82.76 124.72,82.81 125,82.83 125.28,82.82 125.55,82.78 125.82,82.71 126.09,82.62 126.34,82.51 126.58,82.37 126.81,82.2 127.02,82.02 127.21,81.81 127.38,81.59 127.53,81.35 127.65,81.1 127.75,80.83 127.82,80.56 127.87,80.28 127.89,80 127.88,79.72 127.84,79.44 127.77,79.16 127.68,78.89 127.56,78.63 127.42,78.38 127.25,78.15 127.06,77.94 126.85,77.74 126.63,77.57 126.38,77.42 126.12,77.29 125.85,77.19 125.57,77.11 125.29,77.07 125,77.05 124.73,77.06 124.46,77.09 124.19,77.15 123.93,77.24 123.68,77.34 123.44,77.47 123.21,77.63 122.99,77.8 122.8,77.99 122.62,78.2 122.46,78.43 122.32,78.67 122.2,78.92 122.11,79.18 122.05,79.45 122,79.72 121.99,80 122,80.28 122.03,80.55 122.09,80.83 122.18,81.09 122.29,81.35 122.42,81.6 122.58,81.83 122.75,82.05 122.95,82.25 123.16,82.43 123.39,82.6 123.64,82.74 123.89,82.85 124.16,82.95 124.44,83.02 124.72,83.06 125,83.08 125.28,83.07 125.57,83.03 125.84,82.97 126.12,82.88 126.38,82.77 126.63,82.63 126.87,82.47 127.09,82.29 127.3,82.09 127.48,81.88 127.65,81.64 127.79,81.39 127.91,81.13 128.01,80.86 128.08,80.58 128.12,80.29 128.14,80 128.13,79.71 128.09,79.42 128.03,79.14 127.94,78.86 127.83,78.59 127.69,78.34 127.52,78.09 127.34,77.87 127.14,77.66 126.91,77.47 126.67,77.3 126.42,77.15 126.15,77.03 125.87,76.93 125.59,76.86 125.29,76.82 125,76.8 124.72,76.81 124.44,76.84 124.17,76.9 123.9,76.98 123.64,77.08 123.39,77.21 123.15,77.36 122.93,77.53 122.72,77.72 122.52,77.92 122.35,78.14 122.19,78.38 122.06,78.63 121.95,78.89 121.86,79.16 121.79,79.43 121.75,79.72 121.74,80 121.75,80.28 121.78,80.57 121.84,80.85 121.92,81.12 122.03,81.39 122.16,81.64 122.31,81.89 122.48,82.11 122.67,82.33 122.88,82.53 123.11,82.7 123.35,82.86 123.6,83 123.87,83.11 124.14,83.2 124.42,83.27 124.71,83.31 125,83.33 125.29,83.32 125.58,83.28 125.86,83.22 126.14,83.14 126.41,83.03 126.67,82.9 126.92,82.74 127.16,82.57 127.37,82.37 127.57,82.16 127.75,81.93 127.92,81.68 128.05,81.42 128.17,81.15 128.26,80.87 128.33,80.59 128.37,80.29 128.39,80 128.38,79.7 128.34,79.41 128.28,79.12 128.2,78.84 128.09,78.56 127.95,78.3 127.79,78.04 127.62,77.8 127.42,77.58 127.2,77.38 126.96,77.19 126.71,77.03 126.45,76.89 126.18,76.77 125.89,76.68 125.6,76.61 125.3,76.57 125,76.55 124.71,76.56 124.43,76.59 124.15,76.65 123.88,76.72 123.61,76.83 123.35,76.95 123.1,77.09 122.86,77.26 122.64,77.44 122.44,77.64 122.25,77.86 122.08,78.09 121.93,78.34 121.8,78.6 121.69,78.86 121.6,79.14 121.54,79.42 121.5,79.71 121.49,80 121.5,80.29 121.53,80.58 121.59,80.86 121.67,81.14 121.77,81.42 121.89,81.68 122.04,81.93 122.21,82.17 122.39,82.4 122.6,82.61 122.82,82.8 123.06,82.97 123.31,83.13 123.57,83.26 123.84,83.37 124.12,83.46 124.41,83.52 124.71,83.56 125,83.58 125.3,83.57 125.59,83.53 125.88,83.48 126.17,83.39 126.44,83.29 126.71,83.16 126.97,83.01 127.21,82.84 127.44,82.65 127.65,82.44 127.85,82.22 128.03,81.98 128.18,81.72 128.32,81.45 128.43,81.18 128.52,80.89 128.58,80.6 128.62,80.3 128.64,80 128.63,79.7 128.59,79.4 128.54,79.1 128.45,78.81 128.35,78.53 128.22,78.26 128.06,78 127.89,77.75 127.7,77.52 127.49,77.3 127.26,77.1 127.01,76.92 126.75,76.76 126.48,76.63 126.2,76.51 125.91,76.42 125.61,76.36 125.31,76.32 125,76.3 124.71,76.31 124.42,76.34 124.13,76.39 123.85,76.47 123.58,76.57 123.31,76.69 123.06,76.83 122.81,76.99 122.58,77.17 122.36,77.36 122.16,77.57 121.98,77.8 121.81,78.05 121.66,78.3 121.54,78.57 121.43,78.84 121.35,79.12 121.29,79.41 121.25,79.71 121.24,80 121.25,80.3 121.28,80.59 121.33,80.88 121.41,81.17 121.51,81.45 121.63,81.72 121.77,81.98 121.94,82.23 122.12,82.46 122.32,82.68 122.53,82.89 122.77,83.07 123.01,83.24 123.27,83.39 123.54,83.52 123.82,83.63 124.11,83.71 124.4,83.77 124.7,83.81 125,83.83 125.3,83.82 125.6,83.78 125.9,83.73 126.19,83.65 126.47,83.55 126.75,83.42 127.01,83.28 127.26,83.11 127.5,82.93 127.73,82.73 127.93,82.51 128.12,82.27 128.3,82.02 128.45,81.76 128.58,81.48 128.69,81.2 128.77,80.91 128.83,80.61 128.87,80.3 128.89,80 128.88,79.69 128.85,79.39 128.79,79.09 128.71,78.79 128.61,78.51 128.48,78.23 128.33,77.96 128.17,77.7 127.98,77.46 127.77,77.23 127.55,77.02 127.31,76.82 127.05,76.65 126.78,76.5 126.51,76.37 126.22,76.26 125.92,76.17 125.62,76.1 125.31,76.07 125,76.05 124.7,76.06 124.41,76.09 124.12,76.14 123.83,76.21 123.55,76.31 123.28,76.43 123.01,76.56 122.76,76.72 122.52,76.89 122.29,77.08 122.08,77.29 121.88,77.51 121.7,77.75 121.54,78 121.4,78.27 121.28,78.54 121.18,78.82 121.1,79.11 121.04,79.4 121,79.7 120.99,80 121,80.3 121.03,80.6 121.08,80.89 121.15,81.19 121.25,81.47 121.37,81.75 121.51,82.02 121.67,82.27 121.84,82.52 122.04,82.75 122.25,82.97 122.48,83.17 122.72,83.35 122.97,83.51 123.24,83.66 123.52,83.78 123.8,83.88 124.1,83.96 